# Allegro board pc051c_toplevel_209edited.brd (continued)
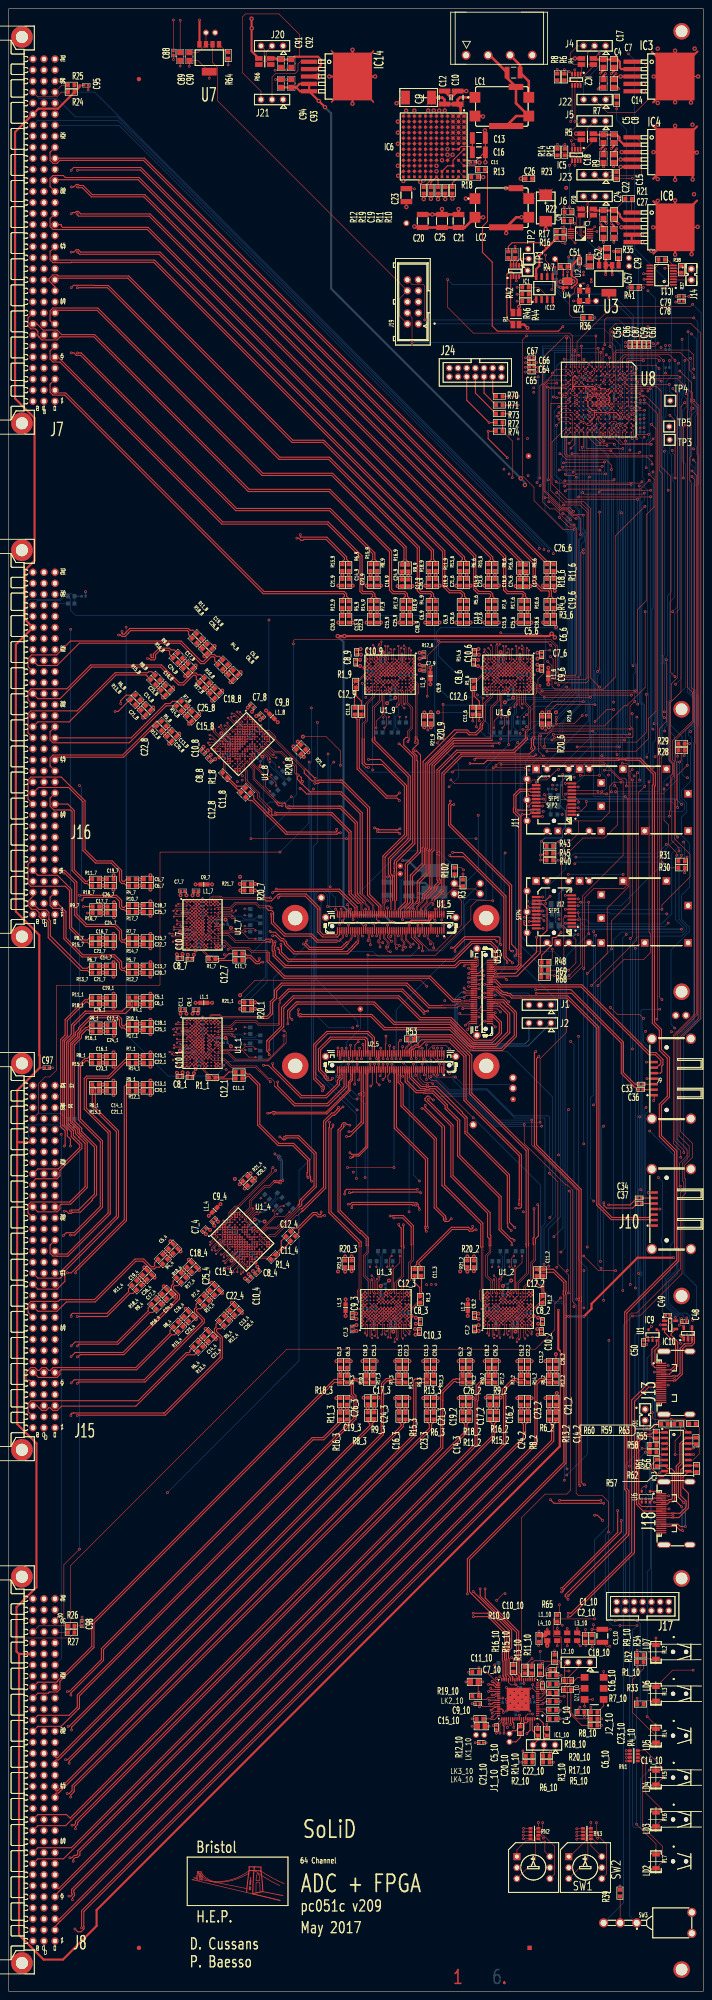
[diagram p0: board, top side]
## Routing (per net, layer and track width the routed paths; a pad name or vN(x,y) marks a point on that pad's centre or on a via; arc(x,y) is an arc through that point) (continued)
MGT_TX_P<1>: length 23.7
  TOP w0.25: U3_5.16 108.39,233.7 108.44,233.75 v1(109.45,233.75) ; v1(119.9,246.18) J12.18
  L3 w0.25: v1(109.45,233.75) 109.45,234.31 109.81,234.67 109.81,235.13 109.45,235.49 109.45,235.85 111.4,237.81 111.4,238.5 111.7,238.8 111.7,242.06 111.69,242.07 111.69,242.53 112.02,242.86 112.16,242.86 114.91,245.6 119.32,245.6 v1(119.9,246.18)
MGT_TX_P<2>: length 55
  TOP w0.18: U3_5.22 v1(105.92,232.2)
  TOP w0.25: C36.2 144.8,207.5 144.22,208.08 143.97,208.08 143.82,208.23 143.82,208.48 141.1,211.2 141.1,218.19 129.64,229.65 v1(121.5,229.65)
  L3 w0.13: 113.88,230.65 113.41,230.65 111.84,232.22 109.57,232.22 109.55,232.2 v1(105.92,232.2)
  L3 w0.25: v1(121.5,229.65) 120.75,229.65 119.75,230.65 113.88,230.65
MGT_TX_P<3>: length 81.6
  TOP w0.18: U3_5.28 v1(108.38,230.7)
  TOP w0.25: C34.2 143.15,180.95 v1(138.2,180.95)
  L3 w0.13: v1(108.38,230.7) 111.96,230.7 113.21,229.44 114.2,229.44 114.35,229.3 114.51,229.3 114.8,229.01 114.8,228.85 119.19,224.45
  L3 w0.25: 119.19,224.45 127.55,224.45 130.2,221.8 130.2,220.19 130.19,220.19 130.19,219.31 130.2,219.31 130.2,183.49 132.92,180.78 138.03,180.78 v1(138.2,180.95)
MODE: length 36.9
  TOP w0.18: U1_5.31 92.75,242.55 94.5,240.8 v1(94.5,240.1)
  BOTTOM w0.13: v1(94.5,240.1) 92.51,238.11 85.06,238.11 83.86,239.31 78.89,239.31 71.95,246.25 71.95,251.6 LK5.1
NOSEQ: length 14.1
  TOP w0.13: U1_5.8 98.75,250.2 102.21,253.66 107.49,253.66 LK6.1
OUT_N<0>: length 87.1
  TOP w0.13: U1_6.E7 v4(116.6,301.35) ; v1(97.9,240.1) 97.9,241.07 96.63,242.34 96.63,243.07 96.75,243.19 U1_5.15
  L3 w0.13: v4(116.6,301.35) 117.84,300.11 117.84,299.45 118.8,298.49 118.8,297.75 121.9,294.65 121.9,288.65
  L3 w0.25: 121.9,288.65 121.96,288.59 121.96,287.75 122.6,287.11 122.6,283.74 122.06,283.2 119.41,283.2 115.36,279.15 107.75,279.15 106.2,277.6 106.2,251.73 104.57,250.1 104.57,247.82 104.61,247.78 104.61,246.42 104.57,246.38 104.57,245.56 103.4,244.39 103.4,242.67 101.87,241.14 98.63,241.14 98.32,240.83 98.26,240.38 v1(97.9,240.1)
OUT_N<1>: length 75.8
  TOP w0.13: 97.53,251.03 95.87,249.37 95.87,248.83 95.75,248.71 U1_5.20 ; 121.2,288.65 121.2,298.31 121.58,298.69 121.58,298.93 121.6,298.95 121.6,300.7 120.94,301.36 120.37,301.36 120.36,301.36 120.26,301.36 120.25,301.35 119.8,301.35 U1_6.B8
  TOP w0.25: 121.2,288.65 121.2,288.32 120.9,288.02 120.9,286.64 121.2,286.34 121.2,285.9 120.81,285.51 120.71,285.51 120.65,285.45 120.64,285.45 119.89,284.7 104.21,284.7 99.76,280.25 99.76,253.61 99.14,252.99 99.14,252.81 98.22,251.89 98.14,251.89 97.53,251.29 97.53,251.03
OUT_N<2>: length 70.9
  TOP w0.13: U1_6.D10 118.1,299.05 118.1,296.35 v4(118.3,296.15)
  TOP w0.18: U1_5.21 v1(95.25,245.7)
  L3 w0.13: 120.18,288.65 120.18,294.17 118.3,296.05 v4(118.3,296.15) ; 96.42,250.7 96.37,250.7 96.34,250.73 96.2,250.73 96.08,250.61 95.99,250.61 95.96,250.57 95.96,250.49 95.86,250.39 95.86,247.99 95.01,247.14 95.01,246.4 95.25,246.16 v1(95.25,245.7)
  L3 w0.25: 120.18,288.65 120.3,288.53 120.3,287.41 120.3,286.99 113.63,280.32 113.34,280.03 107.39,280.03 105,277.64 105,259.36 104.71,259.07 104.22,259.07 96.88,251.73 96.88,251.15 96.42,250.7
OUT_N<3>: length 71.4
  TOP w0.13: 96.62,251.49 96.62,251.46 96.56,251.4 96.56,250.59 95.13,249.16 95.13,248.83 95.25,248.71 U1_5.22 ; 119.38,288.39 119.38,289.79 120.18,290.59 120.18,295.42 119,296.6 119,299.75 U1_6.C9
  TOP w0.25: 119.38,288.39 119.45,288.39 119.5,288.34 119.5,288.09 117.53,286.12 116.5,285.09 111.64,285.09 103.39,285.09 99.15,280.85 99.15,262.24 99.16,262.24 99.16,261.36 99.15,261.36 99.15,255.96 99.38,255.73 99.38,255 98.66,254.28 98.66,253.89 98.53,253.76 98.53,253.4 96.62,251.49
OUT_N<4>: length 66.6
  TOP w0.13: U1_5.26 94.25,248.71 94.13,248.83 94.13,249.46 94.41,249.74 94.45,249.74 95.46,250.75 95.46,251.03 95.52,251.09 ; U1_6.J8 v4(113.4,300.55)
  TOP w0.25: 95.52,251.09 95.79,251.36 95.79,251.54 95.85,251.6 95.85,252.18 97.16,253.49 97.28,253.61 97.28,253.67 97.28,253.76 97.49,253.97 97.49,262.13 98,262.64 98,281.95 102.6,286.55 v1(111.5,286.55)
  L3 w0.13: 112.4,288 112.4,299.55 v4(113.4,300.55)
  L3 w0.25: v1(111.5,286.55) 111.99,287.04 111.99,287.06 112.4,287.47 112.4,288
OUT_N<5>: length 66
  TOP w0.13: 110.99,288.33 110.99,295.47 112.6,297.09 112.6,299.75 U1_6.K9 ; U1_5.34 92.25,248.71 92.37,248.83 92.37,249.18 92.49,249.31 92.49,249.35 92.94,249.79 92.98,249.79 93.86,250.67
  TOP w0.25: 93.86,250.67 94.1,250.91 94.1,255.31 94.26,255.47 94.26,255.51 96.11,257.36 96.11,262.7 96.4,262.99 96.4,282.36 102.37,288.33 102.78,288.33 110.99,288.33
OUT_N<6>: length 74.7
  TOP w0.13: U1_6.M7 v4(111.8,301.35) ; U1_5.37 91.25,243.19 91.37,243.07 91.37,241.93 92.52,240.78 v1(92.52,240.32)
  L3 w0.13: 94.12,250.2 94.06,250.14 94.06,249.29 94.24,249.1 94.24,248.51 93.14,247.41 93.14,244.01 91.66,242.53 91.66,241.64 92.52,240.78 v1(92.52,240.32) ; v4(111.8,301.35) 111.2,300.75 111.2,297.19 109.92,295.91 109.92,288.15
  L3 w0.25: 94.12,250.2 94.12,251.13 103.62,260.63 103.62,278.22 108.45,283.05 108.45,283.35 109.92,284.82 109.92,288.15
OUT_N<7>: length 65.2
  TOP w0.13: U1_6.L8 111.8,300.55 111.8,299.05 111.38,298.63 111.38,297.79 109.78,296.19 109.78,292.29 109.2,291.71 ; U1_5.36 91.75,248.71 91.63,248.83 91.63,248.98 91.72,249.07
  TOP w0.25: 109.2,291.71 109.2,291.32 109.08,291.2 109.08,290.48 107.7,289.1 106.04,289.1 105.42,289.72 103.23,289.72 95.95,282.44 95.95,263.07 95.74,262.86 95.74,259.29 93,256.55 93,250.35 91.72,249.07
OUT_N<8>: length 74.9
  TOP w0.13: U1_5.39 90.75,243.19 90.63,243.07 90.63,242.04 91.26,241.41 91.26,240.91 90.87,240.52 90.87,240.33 90.96,240.24 v1(91.41,240.24) ; U1_9.E7 v4(89.45,301.35)
  L3 w0.13: 94.75,288.65 94.75,294.65 91.65,297.75 91.65,298.49 90.69,299.45 90.69,300.11 v4(89.45,301.35) ; v1(91.41,240.24) 90.96,240.24 90.83,240.37 90.83,241.43 91.4,242 91.4,245.5 92.5,246.6 92.5,249.6 93.5,250.6 93.5,251.1
  L3 w0.25: 93.5,251.1 89.21,255.39 89.21,259.27 89.46,259.51 89.46,260.39 89.21,260.63 89.21,278.61 95.1,284.5 95.1,287.7 94.81,287.99 94.81,288.59 94.75,288.65
OUT_N<9>: length 58.6
  TOP w0.13: U1_9.B8 92.65,301.35 93.1,301.35 93.11,301.36 93.21,301.36 93.22,301.36 93.79,301.36 94.45,300.7 94.45,298.95 94.43,298.93 94.43,298.69 94.05,298.31 94.05,288.65
  TOP w0.25: U1_5.44 89.75,249.05 91.35,250.65 91.35,259.35 94.2,262.2 94.2,283.05 94.03,283.22 94.03,284.29 93.1,285.22 93.1,285.85 94.3,287.05 94.3,287.9 94.05,288.15 94.05,288.65
OUT_N<10>: length 69.9
  TOP w0.13: v4(91.15,296.15) 90.95,296.35 90.95,299.05 U1_9.D10 ; U1_5.45 89.25,243.19 89.2,243.14 89.2,240.96 89.33,240.83 89.76,240.83 v1(90,240.6)
  L3 w0.13: v4(91.15,296.15) 91.15,296.05 93.03,294.17 93.03,288.36 92.91,288.24 92.91,287.04 91.96,286.09 91.96,285.9 92.02,285.84 92.02,285.62 91.98,285.59 91.98,285.05 92.02,285.02 92.02,284.97 ; v1(90,240.6) 89.54,240.6 89.41,240.73 89.41,241.11 90.66,242.36 90.66,245.51 89.9,246.27 89.9,247.09 91.66,248.85 91.66,249.03 91.78,249.15 91.78,249.24 91.8,249.26 91.8,249.41
  L3 w0.25: 92.02,284.97 88.2,281.15 88.2,260.54 87.84,260.18 87.84,259.72 88.2,259.36 88.2,256.94 88.31,256.84 88.31,255.96 88.2,255.86 88.2,255.16 91.15,252.21 91.15,250.06 91.8,249.41
OUT_N<11>: length 58.5
  TOP w0.13: U1_5.48 88.75,248.71 88.87,248.83 88.87,250.79 88.85,250.81 88.85,251.06 ; U1_9.C9 91.85,299.75 91.85,296.6 93.03,295.42 93.03,290.59 92.23,289.79 92.23,288.39
  TOP w0.25: 88.85,251.06 88.85,256.49 88.8,256.54 88.8,256.75 88.78,256.77 88.78,257.74 88.85,257.81 88.85,258.29 88.78,258.36 88.78,259.54 88.85,259.61 88.85,260.1 93.05,264.3 93.05,284.02 90.02,287.05 v1(89.9,287.05) ; 92.23,288.39 92.23,287.93 91.95,287.65 v1(91.95,287.55)
  L4 w0.25: v1(89.9,287.05) 89.95,287 91.3,287 91.85,287.55 v1(91.95,287.55)
OUT_N<12>: length 64
  TOP w0.13: U1_9.J8 v4(86.25,300.55)
  TOP w0.18: v1(88,242.7) 88.25,242.95 U1_5.49
  L3 w0.13: v1(88,242.7) 88.45,242.39 88.68,242.39 88.81,242.52 88.81,245.78 88.9,245.86 88.9,246.27 88.81,246.36 88.81,248.81 89.2,249.2 89.2,249.7 89.14,249.76 89.14,249.79 ; v4(86.25,300.55) 85.25,299.55 85.25,288
  L3 w0.25: 89.14,249.79 89.14,250.23 89.08,250.29 89.08,252.02 88.29,252.81 86.75,254.35 86.75,255.41 86.19,255.96 86.19,256.84 86.75,257.39 86.75,258.86 86.46,259.15 86.46,260.75 86.75,261.04 86.75,283.09 85.3,284.54 85.3,287.4 85.25,287.45 85.25,288
OUT_N<13>: length 58.9
  TOP w0.13: U1_9.K9 85.45,299.75 85.45,297.09 83.84,295.47 83.84,288.33 ; 87.92,251.02 87.92,250.81 87.99,250.74 87.99,248.95 87.75,248.71 U1_5.52
  TOP w0.25: 87.92,251.02 87.92,256.39 87.81,256.5 87.81,256.63 87.45,256.99 87.45,260.66 92.01,265.22 92.01,279.41 83.72,287.71 83.72,288.12 83.84,288.24 83.84,288.33
OUT_N<14>: length 72.4
  TOP w0.13: v1(87.25,240.25) 87.6,240.6 87.6,241.4 86.63,242.37 86.63,243.07 86.75,243.19 U1_5.55 ; U1_9.M7 v4(84.65,301.35)
  L3 w0.13: v1(87.25,240.25) 87.44,239.94 87.69,239.94 87.78,240 87.78,240.72 86.44,242.06 86.44,246.02 88.16,247.73 88.23,247.73 88.23,250.79 87.69,251.34 87.57,251.34 87.46,251.45 87.32,251.45 86.83,251.94 ; 82.77,289 82.59,289.19 82.59,295.72 84.05,297.19 84.05,300.75 v4(84.65,301.35)
  L3 w0.25: 86.83,251.94 86.14,252.62 85.85,252.92 85.85,253 85.8,253.05 85.8,255.11 85.31,255.6 85.31,257.2 85.8,257.69 85.8,258.57 85.59,258.78 85.59,261.12 85.8,261.33 85.8,281.45 82.65,284.6 82.65,288.88 82.77,289 82.77,289
OUT_N<15>: length 62.5
  TOP w0.13: U1_5.58 86.22,247.83 86.22,250.25 86.19,250.29 86.19,250.49 ; 81.93,288.15 81.93,291.59 82.63,292.29 82.63,296.19 84.23,297.79 84.23,298.63 84.65,299.05 84.65,300.55 U1_9.L8
  TOP w0.25: 86.19,250.49 86.19,261.2 91.14,266.14 91.14,277.26 86.09,282.3 82.36,282.3 81.9,282.76 81.9,288.12 81.93,288.15
OUT_N<16>: length 68.9
  TOP w0.13: U1_5.59 85.75,243.19 85.63,243.07 85.63,242.05 85.27,241.68 85.27,241.5 85.36,241.41 86.04,241.41 v1(86.17,241.27) ; U1_8.E7 v4(56.11,287)
  L3 w0.13: v4(56.11,287) 57.87,287 58.33,286.53 59.69,286.53 60.21,286.01 64.6,286.01 68.84,281.77 ; v1(86.17,241.27) 85.8,241.65 85.8,245.53 86.06,245.79 86.06,246.84 85.3,247.6 85.3,249.1 85.36,249.16 85.36,249.19
  L3 w0.25: 85.36,249.19 85.36,249.63 85.42,249.69 85.42,250.12 86.1,250.8 86.1,252.13 85.99,252.25 85.42,252.81 85.42,254.09 72.5,267.01 72.5,279.91 71.41,281 69.71,281 68.94,281.77 68.84,281.77
OUT_N<17>: length 59.4
  TOP w0.13: U1_8.B8 58.38,289.26 58.69,289.58 58.69,289.59 58.77,289.66 58.77,289.68 59.17,290.08 60.11,290.08 61.35,288.84 61.35,288.81 61.51,288.64 61.51,288.1 68.35,281.27
  TOP w0.25: 68.35,281.27 70.52,279.1 v1(70.6,279.1) ; v1(70.5,277.95) 71.36,277.95 71.61,278.2 76.6,278.2 82.65,272.15 82.65,252.19 85.25,249.59 U1_5.62
  L3 w0.25: v1(70.6,279.1) 70.5,279 v1(70.5,277.95)
OUT_N<18>: length 58.8
  TOP w0.13: U1_8.D10 58.8,286.43 60.71,284.53 v4(60.99,284.53)
  TOP w0.18: U1_5.67 v1(83.75,242.87)
  L3 w0.13: 68.6,279.66 68.58,279.67 68.51,279.67 68.38,279.8 68.38,279.92 67.75,280.55 67.62,280.55 63.72,284.45 61.06,284.45 v4(60.99,284.53) ; 84.46,250.42 84.46,250.25 84.17,249.95 83.95,249.95 83.9,249.9 83.9,246.9 84.74,246.06 84.74,245.58 84.67,245.5 84.49,244.59 83.75,243.85 v1(83.75,242.87)
  L3 w0.25: 68.6,279.66 69.35,278.91 69.35,268.61 84.46,253.49 84.46,250.42
OUT_N<19>: length 57.1
  TOP w0.13: 80.95,252.57 81,252.52 81.03,252.52 81.32,252.23 81.4,252.23 83.87,249.76 83.87,248.83 83.75,248.71 U1_5.68 ; U1_8.C9 58.94,287.57 61.17,285.34 62.84,285.34 66.25,281.92 66.25,280.32 66.43,280.14 66.68,280.14 66.94,279.88 66.94,279.8 67,279.74 67,279.65 67.21,279.44 67.26,279.44 67.29,279.41
  TOP w0.25: v1(67.7,278.35) 67.64,278.41 67.64,278.46 67.4,278.71 67.4,279.3 67.29,279.41 ; 80.95,252.57 80.95,270.95 76.4,275.5 68.65,275.5 67.35,276.8 v1(67.1,276.8)
  L3 w0.25: v1(67.1,276.8) 67.7,277.4 v1(67.7,278.35)
OUT_N<20>: length 60.9
  TOP w0.13: U1_5.69 83.25,243.19 83.13,243.07 83.13,242.51 83.16,242.47 83.16,242.07 83.26,241.97 83.26,241.24 83.3,241.2 v1(83.3,240.8) ; U1_8.J8 v4(54.42,284.17)
  L3 w0.13: 62.77,274.08 62.77,274.4 54.42,282.76 v4(54.42,284.17) ; 82.72,251 82.66,250.94 82.66,250.09 82.84,249.9 82.84,243.21 82.2,242.57 82.2,241.26 82.45,241.02 83.19,240.8 v1(83.3,240.8)
  L3 w0.25: 62.77,274.08 63.59,273.26 64.73,273.26 65.06,272.93 65.06,270.74 82.72,253.08 82.72,251
OUT_N<21>: length 56.3
  TOP w0.13: 81.99,250.86 82.14,250.72 82.14,250.4 83.13,249.41 83.13,248.83 83.25,248.71 U1_5.70 ; 61.35,273.82 56.3,278.88 56.3,281.16 54.42,283.04 U1_8.K9
  TOP w0.25: 81.99,250.86 80.3,252.56 80.3,268.96 76.56,272.7 76.14,272.7 64.58,272.7 v1(64.5,272.7) ; v1(63,272.8) 62.2,272.8 61.8,273.2 61.8,273.37 61.35,273.82
  L3 w0.25: v1(64.5,272.7) 64.37,272.7 64.13,272.46 63.85,272.46 63.51,272.8 v1(63,272.8)
OUT_N<22>: length 56.7
  TOP w0.13: U1_8.M7 v4(52.72,283.61)
  TOP w0.18: v1(80.3,245.9) 80.95,245.9 81.75,245.1 U1_5.75
  L3 w0.13: v4(52.72,283.61) 52.72,282.76 55.24,280.24 55.24,278.43 60.72,272.94 ; 80.57,247.48 80.59,247.46 80.68,247.46 81.37,246.76 81.37,244.73 81.24,244.6 81.06,244.6 80.97,244.52 80.88,244.52 80.81,244.59 v1(80.3,245.9)
  L3 w0.25: 80.57,247.48 80.26,247.79 80.17,247.79 79.6,248.36 79.6,254.49 61.49,272.6 60.9,272.6 60.66,272.84 60.66,272.94 60.72,272.94
OUT_N<23>: length 55.7
  TOP w0.13: 80.45,250.3 80.9,250.3 81.13,250.07 81.13,247.92 U1_5.78 ; U1_8.L8 53.28,283.04 54.34,281.98 54.34,281.39 54.94,280.79 54.94,278.53 57.69,275.77 57.69,274.85 60.11,272.44
  TOP w0.25: 80.45,250.3 78.39,252.36 78.39,253.03 78.37,253.05 78.37,266.62 74.29,270.7 61.69,270.7 61.63,270.64 60.7,270.64 60.6,270.75 60.6,271.95 60.11,272.44
OUT_N<24>: length 40.8
  TOP w0.13: U1_7.E7 v4(46.25,247)
  TOP w0.25: U1_5.82 80.25,249.56 76.21,253.6 61.66,253.6 v1(61.63,253.63)
  L3 w0.13: v4(46.25,247) 47.49,248.24 48.15,248.24 49.11,249.2 49.85,249.2 52.95,252.3 58.95,252.3 58.95,252.45
  L3 w0.25: v1(61.63,253.63) 60.13,253.63 58.95,252.45
OUT_N<25>: length 40.6
  TOP w0.13: U1_7.B8 46.25,250.2 46.25,250.65 46.24,250.66 46.24,250.76 46.24,250.77 46.24,251.34 46.9,252 48.65,252 48.67,251.98 48.91,251.98 49.29,251.6 58.95,251.6
  TOP w0.25: v1(60.3,251.6) 58.95,251.6 ; U1_5.97 76.25,243.14 75.71,242.6 72.29,242.6 71.2,243.69 71.2,249.09 68.29,252 62.5,252 v1(62.1,251.6)
  L3 w0.25: v1(62.1,251.6) v1(60.3,251.6)
OUT_N<26>: length 49.8
  TOP w0.13: 78.23,241.13 78.37,241.27 78.37,241.41 78.93,241.96 78.93,242.16 79.13,242.36 79.13,243.07 79.25,243.19 U1_5.85 ; U1_7.D10 48.55,248.5 51.25,248.5 v4(51.45,248.7)
  TOP w0.25: v1(67.9,241) 69.2,239.7 76.8,239.7 77.94,240.84 78.23,241.13
  L3 w0.13: v4(51.45,248.7) 51.55,248.7 53.43,250.58 58.95,250.58
  L3 w0.25: v1(67.9,241) 68.15,241.25 68.94,241.25 69.27,241.58 69.27,241.97 71.78,244.48 71.78,247.53 71.77,247.54 68.11,251.2 63.2,251.2 62.58,250.58 59.98,250.58 59.86,250.7 59.24,250.7 59.12,250.58 58.95,250.58
OUT_N<27>: length 38.3
  TOP w0.13: 75.6,241.4 75.76,241.56 76.22,241.56 76.31,241.65 77.13,242.46 77.13,243.07 77.25,243.19 U1_5.93 ; U1_7.C9 47.85,249.4 51,249.4 52.18,250.58 57.01,250.58 57.81,249.78 59.21,249.78
  TOP w0.25: 75.6,241.4 70.99,241.4 69.59,242.8 63.49,242.8 60.5,245.79 60.5,247.32 60.47,247.34 v1(60.47,247.9) ; v1(60.47,249.3) 60.05,249.72 59.27,249.72 59.21,249.78
  L3 w0.25: v1(60.47,247.9) v1(60.47,249.3)
OUT_N<28>: length 40.5
  TOP w0.13: U1_5.79 80.75,243.19 80.68,243.12 80.68,241.8 80.56,241.68 80.51,241.63 80.51,241.54 ; U1_7.J8 v4(47.05,243.8)
  TOP w0.25: 80.51,241.54 80.51,241.2 79.65,240.35 79.65,240.26 78.11,238.72 65.68,238.72 63.52,240.88 63.52,241.24 63.04,241.72 62.68,241.72 61.5,242.9 v1(60.8,242.9)
  L3 w0.13: v4(47.05,243.8) 48.05,242.8 59.6,242.8 59.7,242.9 v1(60.8,242.9)
OUT_N<29>: length 65.3
  TOP w0.13: U1_7.K9 47.85,243 50.51,243 52.13,241.39 59.27,241.39
  TOP w0.25: U3_5.2 103.86,237.2 102.7,236.04 63.82,236.04 61.4,238.46 61.4,239.45 61.18,239.66 61.18,240.34 61.4,240.55 v1(61.4,241.5) ; 59.27,241.39 59.39,241.5 v1(60.2,241.5)
  L3 w0.25: v1(61.4,241.5) v1(60.2,241.5)
OUT_N<30>: length 75.1
  TOP w0.13: 110.9,237.25 U3_5.1 ; U1_7.M7 v4(46.25,242.2)
  TOP w0.25: v1(62,240) 62.32,239.68 62.32,238.94 64.27,236.98 102.64,236.98 106.76,241.1 110.89,241.1 112.1,239.89 112.1,237.56 111.8,237.26 111.65,237.26 111.64,237.25 110.9,237.25
  L3 w0.13: 59.45,240.32 51.69,240.32 50.41,241.6 46.85,241.6 v4(46.25,242.2)
  L3 w0.25: v1(62,240) 61.61,240.39 60.26,240.39 60.13,240.26 59.51,240.26 59.45,240.32
OUT_N<31>: length 67.8
  TOP w0.13: U3_5.38 106.24,228.2 106.12,228.08 105.09,228.08 104.91,227.9 104.35,227.9 104.13,228.12 104.13,228.15 104.08,228.2 ; U1_7.L8 47.05,242.2 48.55,242.2 48.97,241.78 49.81,241.78 51.41,240.18 55.31,240.18 56.01,239.48 59.45,239.48 59.51,239.42 59.58,239.42 59.92,239.08 59.95,239.08 60,239.03
  TOP w0.25: 60,239.03 60,237.2 63.6,233.6 97.1,233.6 102.5,228.2 104.08,228.2
OUT_N<32>: length 92.9
  TOP w0.13: U1_1.E7 v4(46.25,219.75)
  TOP w0.18: U3_5.37 112,228.2
  TOP w0.25: 112,228.2 112.06,228.14 114.06,228.14 114.64,227.56 114.64,227.45 115,227.09 115.11,227.09 116.66,225.55 116.95,225.26 116.95,219.74 113.71,216.5 106.9,216.5 106.82,216.58 106.26,216.58 101.59,221.25 86.44,221.25 83.42,224.28 67.46,224.28 67.43,224.24 66.97,224.24 66.64,224.57 66.64,225.03 66.69,225.07 66.69,225.8 v1(66.76,225.87)
  L3 w0.13: v4(46.25,219.75) 47.49,220.99 48.15,220.99 49.11,221.95 49.85,221.95 52.95,225.05 58.78,225.05 58.83,225 61.49,225 61.53,224.96 65.85,224.96 v1(66.76,225.87)
OUT_N<33>: length 71.3
  TOP w0.13: U1_1.B8 46.36,222.84 46.36,223.08 46.26,223.19 46.26,223.51 46.36,223.62 46.36,224.53 46.64,224.81 48.66,224.81 49.12,224.35 58.95,224.35
  TOP w0.18: 99.7,226.8 99.82,226.92 102.91,226.92 103.19,227.2 105.34,227.2 105.38,227.24 105.82,227.24 105.86,227.2 U3_5.42
  TOP w0.25: 99.7,226.8 96.95,226.8 91.75,232 62.86,232 62.56,231.71 61.22,230.36 61.22,228.67 60.25,227.7 60.25,225.11 59.49,224.35 58.95,224.35
OUT_N<34>: length 86.9
  TOP w0.13: U1_1.D10 48.55,221.25 51.25,221.25 v4(51.45,221.45)
  TOP w0.18: 113.25,227.2 112.58,227.2 ; U3_5.41 111.59,227.2
  TOP w0.25: 112.58,227.2 112.52,227.26 111.65,227.26 111.59,227.2 ; 113.25,227.2 115.42,225.03 115.42,220.56 112.24,217.38 107.26,217.38 107.18,217.46 106.63,217.46 101.59,222.5 88.66,222.5 84.01,227.15 66.45,227.15 64.75,225.45 64.75,224.1 v1(65.25,223.6)
  L3 w0.13: v4(51.45,221.45) 51.55,221.45 53.43,223.33 63.93,223.33 64.2,223.6 v1(65.25,223.6)
OUT_N<35>: length 74.3
  TOP w0.13: U1_1.C9 47.85,222.15 51,222.15 52.18,223.33 57.01,223.33 57.73,222.6 62.09,222.6 62.18,222.7 62.18,227.32 62.34,227.48 62.34,227.91 62.28,227.97 62.28,228.37 62.25,228.41 62.25,228.45
  TOP w0.18: U3_5.47 v1(109,225.7)
  TOP w0.25: v1(96.53,225.56) 96.43,225.46 95.97,225.46 95.91,225.52 95.83,225.52 90.75,230.6 64.39,230.6 62.25,228.45
  L3 w0.25: v1(96.53,225.56) 96.54,225.55 101.96,225.55 103.11,224.4 105.05,224.4 106.29,225.64 108.86,225.64 108.92,225.7 v1(109,225.7)
OUT_N<36>: length 87.7
  TOP w0.13: U1_1.J8 v4(47.05,216.55)
  TOP w0.25: v1(60,215.5) 60,215.81 59.44,216.37 59.44,218.64 59.5,218.7 59.5,218.79 62.85,222.14 62.85,226.4 65.5,229.05 89.9,229.05 94.9,224.05 101.99,224.05 107.2,218.84 111.25,218.84 113,220.59 113,222.79 111.85,223.94 111.85,223.96 111.61,224.2 U3_5.53
  L3 w0.13: v1(60,215.5) 59.86,215.64 59.35,215.64 59.26,215.55 48.05,215.55 v4(47.05,216.55)
OUT_N<37>: length 67.6
  TOP w0.13: U1_1.K9 47.85,215.75 50.51,215.75 52.06,214.2 59.7,214.2 59.74,214.24 59.94,214.24 63.9,218.2 63.9,220.7 63.6,221 v1(63.4,221)
  TOP w0.18: U3_5.58 106.1,223.2 v1(105.2,222.3)
  L3 w0.25: v1(63.4,221) 63.79,221.39 64.34,221.39 66.25,223.3 104.3,223.3 105.2,222.4 v1(105.2,222.3)
OUT_N<38>: length 39.4
  TOP w0.13: U1_1.M7 v4(46.25,214.95)
  TOP w0.25: U2_5.95 76.75,210.99 76.81,210.93 76.81,210.05 76.2,209.45 76.2,208.6 73.2,205.6 67.29,205.6 59.82,213.07 v1(58.7,213.07)
  L3 w0.13: v4(46.25,214.95) 46.85,214.35 50.41,214.35 51.69,213.07 v1(58.7,213.07)
OUT_N<39>: length 42.4
  TOP w0.13: 61.25,208.3 61.25,209.25 60.45,210.05 59.9,210.05 57.02,212.93 51.41,212.93 49.81,214.53 48.97,214.53 48.55,214.95 47.05,214.95 U1_1.L8
  TOP w0.25: U2_5.91 77.75,207.94 73.56,203.75 65.8,203.75 65.51,204.04 61.25,208.3
OUT_N<40>: length 56.2
  TOP w0.13: U1_4.E7 v4(53.8,175.26)
  TOP w0.25: v1(59.65,202.05) 60.16,202.05 60.21,202.1 60.21,202.11 60.26,202.16 60.53,202.16 60.82,202.46 61.28,202.46 61.46,202.28 73.12,202.28 78.24,207.4 78.24,209.26 78.81,209.83 78.81,211.05 78.75,211.11 U2_5.87
  L3 w0.13: v4(53.8,175.26) 53.8,177.02 54.27,177.48 54.27,178.84 54.79,179.36 54.79,183.75 59.03,187.99 59.17,187.99 59.34,188.09 60.1,188.85 60.1,193.5
  L3 w0.25: 60.1,193.5 59.65,193.95 v1(59.65,202.05)
OUT_N<41>: length 63.4
  TOP w0.13: U1_4.B8 51.54,177.53 51.22,177.84 51.21,177.84 51.14,177.92 51.12,177.92 50.72,178.32 50.72,179.26 51.96,180.5 51.99,180.5 52.16,180.66 52.7,180.66 60.57,188.54 60.57,189.24 v1(60.87,189.53)
  TOP w0.18: v1(79.19,214.07) 79.25,214.13 U2_5.86
  L3 w0.25: v1(79.19,214.07) 79.25,214.13 79.25,216.65 79.3,216.7 79.3,217.52 79.3,217.93 78.83,218.4 73.39,218.4 71.2,216.21 71.2,209.91 65.65,204.36 65.65,194.05 61.13,189.53 v1(60.87,189.53)
OUT_N<42>: length 49.7
  TOP w0.13: U1_4.D10 54.37,177.95 56.27,179.86 v4(56.27,180.14)
  TOP w0.18: v1(80.25,213.33) U2_5.81
  L3 w0.13: 60.25,186.77 56.35,182.87 56.35,180.21 v4(56.27,180.14)
  L3 w0.25: v1(80.25,213.33) 80.25,210.75 77.6,208.1 77.6,202.61 75.6,200.61 75.6,199.01 74.93,198.34 72.79,198.34 62.79,188.34 61.65,188.34 60.25,186.94 60.25,186.77
OUT_N<43>: length 65.8
  TOP w0.13: U1_4.C9 53.23,178.09 55.46,180.32 55.46,181.99 58.88,185.4 60.01,185.4 61,186.39
  TOP w0.182: v1(80.5,218.5) 79.75,217.75 U2_5.84
  TOP w0.25: 61,186.39 61.14,186.53 61.45,186.53 61.52,186.46 62.28,186.46 62.38,186.57 63.1,186.57 v1(63.14,186.53)
  L3 w0.25: v1(80.5,218.5) 79.63,219.37 72.11,219.37 70.1,217.36 70.1,210.9 64.4,205.2 64.4,204.76 64.45,204.72 64.45,195.21 61.92,192.68 v1(61.32,192.68)
  BOTTOM w0.25: v1(61.32,192.68) 61.68,192.32 61.78,192.32 61.9,192.43 62.36,192.43 62.69,192.1 62.69,191.58 63.06,191.2 63.06,187.14 63.14,187.07 v1(63.14,186.53)
OUT_N<44>: length 53.3
  TOP w0.13: U1_4.J8 v4(56.63,173.57)
  TOP w0.25: v1(78.36,197.8) 78.98,197.8 81.19,200.01 81.19,206.09 81.31,206.21 81.31,206.67 81.19,206.79 81.19,211.3 81.25,211.36 U2_5.77
  L3 w0.13: 66.01,181.54 58.04,173.57 v4(56.63,173.57)
  L3 w0.25: 66.01,181.54 66.18,181.54 66.48,181.83 66.48,188.97 73.65,196.14 78.03,196.14 78.36,196.47 v1(78.36,197.8)
OUT_N<45>: length 76.7
  TOP w0.13: 66.98,180.5 61.92,175.45 59.64,175.45 57.76,173.57 U1_4.K9
  TOP w0.18: v1(81.6,217.9) 81.75,217.75 U2_5.76
  TOP w0.25: v1(63.45,196.5) 63.81,196.86 66.87,196.86 70.84,192.89 70.84,185.11 67.5,181.77 67.5,180.89 67.21,180.6 67.08,180.6 66.98,180.5
  L3 w0.25: v1(63.45,196.5) 63.51,196.56 63.51,204.51 64.02,205.02 64.02,205.36 67.75,209.09 67.75,209.46 69.71,211.41 69.71,214.49 69.21,214.99 69.21,217.61 71.65,220.05 80.25,220.05 81.6,218.7 v1(81.6,217.9)
OUT_N<46>: length 60
  TOP w0.13: U1_4.M7 v4(57.19,171.87)
  TOP w0.25: U2_5.73 82.25,211.15 82.31,211.09 82.31,194.39 80.51,192.59 78.96,192.59 v1(78.6,192.95)
  L3 w0.13: 67.28,179.3 62.37,174.39 60.56,174.39 58.04,171.87 v4(57.19,171.87)
  L3 w0.25: 67.28,179.3 67.47,179.3 67.95,179.78 67.95,179.94 68.1,180.09 68.1,180.51 67.95,180.66 67.95,188.34 70.9,191.29 78.98,191.29 79.31,191.62 79.31,192.08 78.98,192.41 78.85,192.41 78.6,192.66 v1(78.6,192.95)
OUT_N<47>: length 70.1
  TOP w0.13: 67.4,180 67.05,180 61.14,174.09 60.01,174.09 59.41,173.5 58.82,173.5 57.76,172.43 U1_4.L8
  TOP w0.25: U2_5.74 82.25,216.24 82.19,216.3 82.19,218.81 81.94,219.06 74.31,219.06 71.85,216.6 71.85,212.08 73.11,210.83 73.11,210.59 v1(73.5,210.2) ; v1(76,203.4) 75.81,203.21 75.81,203.13 75.61,202.93 75.61,202.82 74.87,202.09 74.39,202.09 72.53,200.22 72.53,185.03 67.59,180.09 67.49,180.09 67.4,180
  L3 w0.25: v1(73.5,210.2) 73.8,209.9 73.8,209.2 74.87,208.13 74.87,208.12 75.18,207.81 75.18,204.3 76,203.48 v1(76,203.4)
OUT_N<48>: length 57.9
  TOP w0.13: U1_3.E7 v4(85.3,158.6)
  TOP w0.18: v1(83.4,208.3) 83.75,208.65 U2_5.67
  L3 w0.13: v4(85.3,158.6) 84.06,159.84 84.06,160.5 83.1,161.46 83.1,162.2 80,165.3 80,170.9
  L3 w0.25: 80,170.9 79.88,171.02 79.88,181.93 80.17,182.22 80.17,185.48 80.85,186.16 80.85,205.39 81.86,206.39 81.86,206.76 83.34,208.24 83.35,208.24 83.4,208.29 v1(83.4,208.3)
OUT_N<49>: length 83.9
  TOP w0.13: 80.7,171.3 80.7,161.64 80.32,161.26 80.32,161.02 80.3,161 80.3,159.25 80.96,158.59 81.53,158.59 81.54,158.59 81.64,158.59 81.65,158.6 82.1,158.6 U1_3.B8
  TOP w0.25: U2_5.68 83.75,219.27 82.67,220.35 73.45,220.35 70.75,217.65 70.75,210.12 72.31,208.56 72.39,208.56 72.71,208.24 72.71,207.66 v1(72.25,207.2) ; v1(73.89,200) 73.89,198.8 73.75,198.66 73.75,179.15 80.7,172.2 80.7,171.3
  L3 w0.25: v1(72.25,207.2) 72.4,207.05 72.4,203.52 73.89,202.03 v1(73.89,200)
OUT_N<50>: length 56.5
  TOP w0.13: v4(83.6,163.8) 83.8,163.6 83.8,160.9 U1_3.D10
  TOP w0.18: v1(85.25,213.33) U2_5.61
  L3 w0.13: 81.72,171.3 81.72,165.78 83.6,163.9 v4(83.6,163.8)
  L3 w0.25: 81.72,171.3 81.6,171.42 81.6,185.1 83.6,187.1 83.6,207.1 84.75,208.25 84.75,211.95 85.25,212.45 v1(85.25,213.33)
